# Altium PCB Slave.PcbDoc (part 7 of 12)
Units mm, origin at the board's own origin, x right, y up, seen from the top; angles counter-clockwise.
Board outline 380 x 63 mm, 4 copper layers (Top Copper, Signal Layer 1, Signal Layer 2, Bottom Copper), stack 1.586 mm thick; 265 components, 193 nets, 745 pads, 28205 vias.
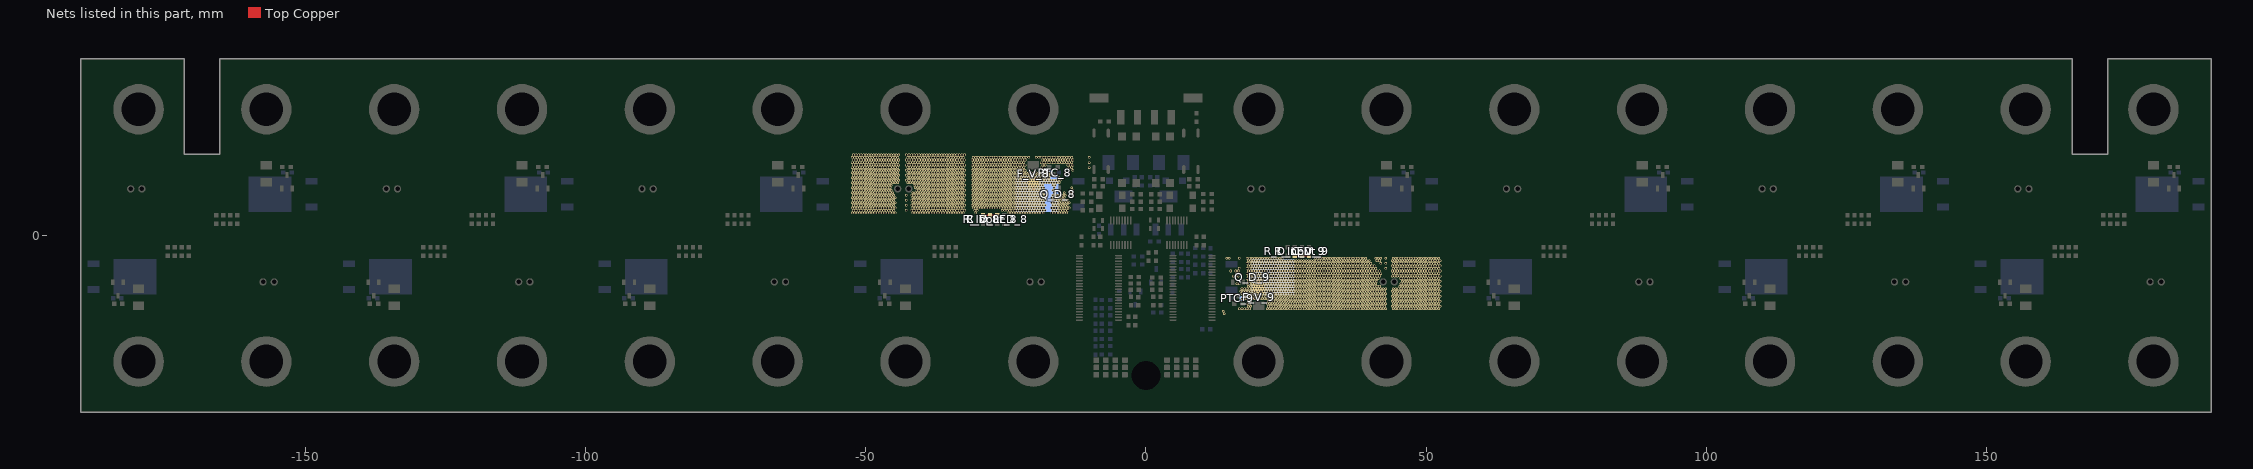
[diagram p9: the nets of this part, all layers, seen from the top]

## Via types
v1: diameter 0.45, hole 0.297, Top Copper to Bottom Copper, tented both sides, 27372 vias
v2: diameter 1, hole 0.7, Top Copper to Bottom Copper, 576 vias
v3: diameter 0.45, hole 0.2, Top Copper to Bottom Copper, 257 vias

## Nets (pads, with @x,y where several pads share a name; then routed paths per layer and width w, separated by ;. In a path a pad name is that pad's centre, name@x,y a point inside that pad or via, vN(x,y) a via of type N, cw(c..) or ccw(c..) an arc to the next point about the centre after c; other vN are vias at no path point) (continued)
F_8: C_V_8.2 F_V_8.2 PTC_8.2 Q_D_8.2 R_D_LED_8.2 R_Input_8.1 | length 3.9
  Top Copper w0.254: C_V_8.2@-29.05,3.6 R_Input_8.1@-27.8,3.6 R_D_LED_8.2@-26.55,3.6
  Top Copper w0.305: v1@-20.075,8.1 F_V_8.2@-20.075,9.48
  other v1: -52.4,4 -51.95,4 -51.5,4 -51.05,4 -50.6,4 -50.15,4 -49.7,4 -49.25,4 -48.8,4 -48.35,4 -47.9,4 -47.45,4 -47,4 -46.55,4 -46.1,4 -45.65,4 -45.2,4 -44.75,4 -41.6,4 -41.15,4 -40.7,4 -40.25,4 -39.8,4 -39.351,4 -38.901,4 -38.451,4 -38.001,4 -37.551,4 -37.101,4 -36.651,4 -36.201,4 -35.751,4 -35.301,4 -34.851,4 -34.401,4 -33.951,4 -33.501,4 -33.051,4 -32.601,4 -30.351,4 -24.501,4 -24.051,4 -23.601,4 -23.151,4 -22.701,4 -22.251,4 -21.801,4 -21.351,4 -20.901,4 -20.451,4 -20.001,4 -19.551,4 -19.101,4 -18.651,4 -18.201,4 -16.851,4 -16.401,4 -15.951,4 -15.501,4 -15.051,4 -14.601,4 -14.151,4 -52.175,4.45 -51.725,4.45 -51.275,4.45 -50.825,4.45 -50.375,4.45 -49.925,4.45 -49.475,4.45 -49.025,4.45 -48.575,4.45 -48.125,4.45 -47.675,4.45 -47.225,4.45 -46.775,4.45 -46.325,4.45 -45.875,4.45 -45.425,4.45 -44.975,4.45 -42.725,4.45 -41.825,4.45 -41.375,4.45 -40.925,4.45 -40.475,4.45 -40.026,4.45 -39.576,4.45 -39.126,4.45 -38.676,4.45 -38.226,4.45 -37.776,4.45 -37.326,4.45 -36.876,4.45 -36.426,4.45 -35.976,4.45 -35.526,4.45 -35.076,4.45 -34.626,4.45 -34.176,4.45 -33.726,4.45 -33.276,4.45 -32.826,4.45 -32.376,4.45 -30.576,4.45 -30.126,4.45 -25.626,4.45 -25.176,4.45 -24.726,4.45 -24.276,4.45 -23.826,4.45 -23.376,4.45 -22.926,4.45 -22.476,4.45 -22.026,4.45 -21.576,4.45 -21.126,4.45 -20.676,4.45 -20.226,4.45 -19.776,4.45 -19.326,4.45 -18.876,4.45 -18.426,4.45 -17.976,4.45 -16.626,4.45 -16.176,4.45 -15.726,4.45 -15.276,4.45 -14.826,4.45 -14.376,4.45 -13.926,4.45 -52.4,4.9 -51.95,4.9 -51.5,4.9 -51.05,4.9 -50.6,4.9 -50.15,4.9 -49.7,4.9 -49.25,4.9 -48.8,4.9 -48.35,4.9 -47.9,4.9 -47.45,4.9 -47,4.9 -46.55,4.9 -46.1,4.9 -45.65,4.9 -45.2,4.9 -44.75,4.9 -41.6,4.9 -41.15,4.9 -40.7,4.9 -40.25,4.9 -39.8,4.9 -39.351,4.9 -38.901,4.9 -38.451,4.9 -38.001,4.9 -37.551,4.9 -37.101,4.9 -36.651,4.9 -36.201,4.9 -35.751,4.9 -35.301,4.9 -34.851,4.9 -34.401,4.9 -33.951,4.9 -33.501,4.9 -33.051,4.9 -32.601,4.9 -30.801,4.9 -30.351,4.9 -29.901,4.9 -29.451,4.9 -29.001,4.9 -28.551,4.9 -28.101,4.9 -27.651,4.9 -27.201,4.9 -26.751,4.9 -26.301,4.9 -25.851,4.9 -25.401,4.9 -24.951,4.9 -24.501,4.9 -24.051,4.9 -23.601,4.9 -23.151,4.9 -22.701,4.9 -22.251,4.9 -21.801,4.9 -21.351,4.9 -20.901,4.9 -20.451,4.9 -20.001,4.9 -19.551,4.9 -19.101,4.9 -18.651,4.9 -18.201,4.9 -16.851,4.9 -16.401,4.9 -15.951,4.9 -15.501,4.9 -15.051,4.9 -14.601,4.9 -14.151,4.9 -13.701,4.9 -52.175,5.35 -51.725,5.35 -51.275,5.35 -50.825,5.35 -50.375,5.35 -49.925,5.35 -49.475,5.35 -49.025,5.35 -48.575,5.35 -48.125,5.35 -47.675,5.35 -47.225,5.35 -46.775,5.35 -46.325,5.35 -45.875,5.35 -45.425,5.35 -44.975,5.35 -42.725,5.35 -41.825,5.35 -41.375,5.35 -40.925,5.35 -40.475,5.35 -40.026,5.35 -39.576,5.35 -39.126,5.35 -38.676,5.35 -38.226,5.35 -37.776,5.35 -37.326,5.35 -36.876,5.35 -36.426,5.35 -35.976,5.35 -35.526,5.35 -35.076,5.35 -34.626,5.35 -34.176,5.35 -33.726,5.35 -33.276,5.35 -32.826,5.35 -32.376,5.35 -31.026,5.35 -30.576,5.35 -30.126,5.35 -29.676,5.35 -29.226,5.35 -28.776,5.35 -28.326,5.35 -27.876,5.35 -27.426,5.35 -26.976,5.35 -26.526,5.35 -26.076,5.35 -25.626,5.35 -25.176,5.35 -24.726,5.35 -24.276,5.35 -23.826,5.35 -23.376,5.35 -22.926,5.35 -22.476,5.35 -22.026,5.35 -21.576,5.35 -21.126,5.35 -20.676,5.35 -20.226,5.35 -19.776,5.35 -19.326,5.35 -18.876,5.35 -18.426,5.35 -17.976,5.35 -16.626,5.35 -16.176,5.35 -15.726,5.35 -15.276,5.35 -14.826,5.35 -14.376,5.35 -13.926,5.35 -52.4,5.8 -51.95,5.8 -51.5,5.8 -51.05,5.8 -50.6,5.8 -50.15,5.8 -49.7,5.8 -49.25,5.8 -48.8,5.8 -48.35,5.8 -47.9,5.8 -47.45,5.8 -47,5.8 -46.55,5.8 -46.1,5.8 -45.65,5.8 -45.2,5.8 -44.75,5.8 -41.6,5.8 -41.15,5.8 -40.7,5.8 -40.25,5.8 -39.8,5.8 -39.351,5.8 -38.901,5.8 -38.451,5.8 -38.001,5.8 -37.551,5.8 -37.101,5.8 -36.651,5.8 -36.201,5.8 -35.751,5.8 -35.301,5.8 -34.851,5.8 -34.401,5.8 -33.951,5.8 -33.501,5.8 -33.051,5.8 -32.601,5.8 -30.801,5.8 -30.351,5.8 -29.901,5.8 -29.451,5.8 -29.001,5.8 -28.551,5.8 -28.101,5.8 -27.651,5.8 -27.201,5.8 -26.751,5.8 -26.301,5.8 -25.851,5.8 -25.401,5.8 -24.951,5.8 -24.501,5.8 -24.051,5.8 -23.601,5.8 -23.151,5.8 -22.701,5.8 -22.251,5.8 -21.801,5.8 -21.351,5.8 -20.901,5.8 -20.451,5.8 -20.001,5.8 -19.551,5.8 -19.101,5.8 -18.651,5.8 -18.201,5.8 -16.851,5.8 -16.401,5.8 -15.951,5.8 -15.501,5.8 -15.051,5.8 -14.601,5.8 -14.151,5.8 -13.701,5.8 -52.175,6.25 -51.725,6.25 -51.275,6.25 -50.825,6.25 -50.375,6.25 -49.925,6.25 -49.475,6.25 -49.025,6.25 -48.575,6.25 -48.125,6.25 -47.675,6.25 -47.225,6.25 -46.775,6.25 -46.325,6.25 -45.875,6.25 -45.425,6.25 -44.975,6.25 -42.725,6.25 -41.825,6.25 -41.375,6.25 -40.925,6.25 -40.475,6.25 -40.026,6.25 -39.576,6.25 -39.126,6.25 -38.676,6.25 -38.226,6.25 -37.776,6.25 -37.326,6.25 -36.876,6.25 -36.426,6.25 -35.976,6.25 -35.526,6.25 -35.076,6.25 -34.626,6.25 -34.176,6.25 -33.726,6.25 -33.276,6.25 -32.826,6.25 -32.376,6.25 -31.026,6.25 -30.576,6.25 -30.126,6.25 -29.676,6.25 -29.226,6.25 -28.776,6.25 -28.326,6.25 -27.876,6.25 -27.426,6.25 -26.976,6.25 -26.526,6.25 -26.076,6.25 -25.626,6.25 -25.176,6.25 -24.726,6.25 -24.276,6.25 -23.826,6.25 -23.376,6.25 -22.926,6.25 -22.476,6.25 -22.026,6.25 -21.576,6.25 -21.126,6.25 -20.676,6.25 -20.226,6.25 -19.776,6.25 -19.326,6.25 -18.876,6.25 -18.426,6.25 -17.976,6.25 -16.626,6.25 -16.176,6.25 -15.726,6.25 -15.276,6.25 -14.826,6.25 -14.376,6.25 -13.926,6.25 -52.4,6.7 -51.95,6.7 -51.5,6.7 -51.05,6.7 -50.6,6.7 -50.15,6.7 -49.7,6.7 -49.25,6.7 -48.8,6.7 -48.35,6.7 -47.9,6.7 -47.45,6.7 -47,6.7 -46.55,6.7 -46.1,6.7 -45.65,6.7 -45.2,6.7 -44.75,6.7 -41.6,6.7 -41.15,6.7 -40.7,6.7 -40.25,6.7 -39.8,6.7 -39.351,6.7 -38.901,6.7 -38.451,6.7 -38.001,6.7 -37.551,6.7 -37.101,6.7 -36.651,6.7 -36.201,6.7 -35.751,6.7 -35.301,6.7 -34.851,6.7 -34.401,6.7 -33.951,6.7 -33.501,6.7 -33.051,6.7 -32.601,6.7 -30.801,6.7 -30.351,6.7 -29.901,6.7 -29.451,6.7 -29.001,6.7 -28.551,6.7 -28.101,6.7 -27.651,6.7 -27.201,6.7 -26.751,6.7 -26.301,6.7 -25.851,6.7 -25.401,6.7 -24.951,6.7 -24.501,6.7 -24.051,6.7 -23.601,6.7 -23.151,6.7 -22.701,6.7 -22.251,6.7 -21.801,6.7 -21.351,6.7 -20.901,6.7 -20.451,6.7 -20.001,6.7 -19.551,6.7 -19.101,6.7 -18.651,6.7 -18.201,6.7 -16.851,6.7 -16.401,6.7 -15.951,6.7 -15.501,6.7 -15.051,6.7 -14.601,6.7 -52.175,7.15 -51.725,7.15 -51.275,7.15 -50.825,7.15 -50.375,7.15 -49.925,7.15 -49.475,7.15 -49.025,7.15 -48.575,7.15 -48.125,7.15 -47.675,7.15 -47.225,7.15 -46.775,7.15 -46.325,7.15 -45.875,7.15 -45.425,7.15 -44.975,7.15 -42.725,7.15 -41.825,7.15 -41.375,7.15 -40.925,7.15 -40.475,7.15 -40.026,7.15 -39.576,7.15 -39.126,7.15 -38.676,7.15 -38.226,7.15 -37.776,7.15 -37.326,7.15 -36.876,7.15 -36.426,7.15 -35.976,7.15 -35.526,7.15 -35.076,7.15 -34.626,7.15 -34.176,7.15 -33.726,7.15 -33.276,7.15 -32.826,7.15 -32.376,7.15 -31.026,7.15 -30.576,7.15 -30.126,7.15 -29.676,7.15 -29.226,7.15 -28.776,7.15 -28.326,7.15 -27.876,7.15 -27.426,7.15 -26.976,7.15 -26.526,7.15 -26.076,7.15 -25.626,7.15 -25.176,7.15 -24.726,7.15 -24.276,7.15 -23.826,7.15 -23.376,7.15 -22.926,7.15 -22.476,7.15 -22.026,7.15 -21.576,7.15 -21.126,7.15 -20.676,7.15 -20.226,7.15 -19.776,7.15 -19.326,7.15 -18.876,7.15 -18.426,7.15 -17.976,7.15 -16.626,7.15 -16.176,7.15 -15.726,7.15 -15.276,7.15 -14.826,7.15 -14.376,7.15 -13.026,7.15 -52.4,7.6 -51.95,7.6 -51.5,7.6 -51.05,7.6 -50.6,7.6 -50.15,7.6 -49.7,7.6 -49.25,7.6 -48.8,7.6 -48.35,7.6 -47.9,7.6 -47.45,7.6 -47,7.6 -46.55,7.6 -46.1,7.6 -45.65,7.6 -45.2,7.6 -41.6,7.6 -41.15,7.6 -40.7,7.6 -40.25,7.6 -39.8,7.6 -39.351,7.6 -38.901,7.6 -38.451,7.6 -38.001,7.6 -37.551,7.6 -37.101,7.6 -36.651,7.6 -36.201,7.6 -35.751,7.6 -35.301,7.6 -34.851,7.6 -34.401,7.6 -33.951,7.6 -33.501,7.6 -33.051,7.6 -32.601,7.6 -30.801,7.6 -30.351,7.6 -29.901,7.6 -29.451,7.6 -29.001,7.6 -28.551,7.6 -28.101,7.6 -27.651,7.6 -27.201,7.6 -26.751,7.6 -26.301,7.6 -25.851,7.6 -25.401,7.6 -24.951,7.6 -24.501,7.6 -24.051,7.6 -23.601,7.6 -23.151,7.6 -22.701,7.6 -22.251,7.6 -21.801,7.6 -21.351,7.6 -20.901,7.6 -20.451,7.6 -20.001,7.6 -19.551,7.6 -19.101,7.6 -18.651,7.6 -18.201,7.6 -16.401,7.6 -14.601,7.6 -13.251,7.6 -52.175,8.05 -51.725,8.05 -51.275,8.05 -50.825,8.05 -50.375,8.05 -49.925,8.05 -49.475,8.05 -49.025,8.05 -48.575,8.05 -48.125,8.05 -47.675,8.05 -47.225,8.05 -46.775,8.05 -46.325,8.05 -45.875,8.05 -45.425,8.05 -40.925,8.05 -40.475,8.05 -40.026,8.05 -39.576,8.05 -39.126,8.05 -38.676,8.05 -38.226,8.05 -37.776,8.05 -37.326,8.05 -36.876,8.05 -36.426,8.05 -35.976,8.05 -35.526,8.05 -35.076,8.05 -34.626,8.05 -34.176,8.05 -33.726,8.05 -33.276,8.05 -32.826,8.05 -32.376,8.05 -31.026,8.05 -30.576,8.05 -30.126,8.05 -29.676,8.05 -29.226,8.05 -28.776,8.05 -28.326,8.05 -27.876,8.05 -27.426,8.05 -26.976,8.05 -26.526,8.05 -26.076,8.05 -25.626,8.05 -25.176,8.05 -24.726,8.05 -24.276,8.05 -23.826,8.05 -23.376,8.05 -22.926,8.05 -22.476,8.05 -22.026,8.05 -21.576,8.05 -21.126,8.05 -20.676,8.05 -20.226,8.05 -19.776,8.05 -19.326,8.05 -18.876,8.05 -18.426,8.05 -16.626,8.05 -16.176,8.05 -13.026,8.05 -52.4,8.5 -51.95,8.5 -51.5,8.5 -51.05,8.5 -50.6,8.5 -50.15,8.5 -49.7,8.5 -49.25,8.5 -48.8,8.5 -48.35,8.5 -47.9,8.5 -47.45,8.5 -47,8.5 -46.55,8.5 -46.1,8.5 -45.65,8.5 -41.15,8.5 -40.7,8.5 -40.25,8.5 -39.8,8.5 -39.351,8.5 -38.901,8.5 -38.451,8.5 -38.001,8.5 -37.551,8.5 -37.101,8.5 -36.651,8.5 -36.201,8.5 -35.751,8.5 -35.301,8.5 -34.851,8.5 -34.401,8.5 -33.951,8.5 -33.501,8.5 -33.051,8.5 -32.601,8.5 -30.801,8.5 -30.351,8.5 -29.901,8.5 -29.451,8.5 -29.001,8.5 -28.551,8.5 -28.101,8.5 -27.651,8.5 -27.201,8.5 -26.751,8.5 -26.301,8.5 -25.851,8.5 -25.401,8.5 -24.951,8.5 -24.501,8.5 -24.051,8.5 -23.601,8.5 -23.151,8.5 -22.701,8.5 -22.251,8.5 -21.801,8.5 -21.351,8.5 -20.901,8.5 -20.451,8.5 -20.001,8.5 -19.551,8.5 -19.101,8.5 -18.651,8.5 -18.201,8.5 -16.401,8.5 -13.251,8.5 -52.175,8.95 -51.725,8.95 -51.275,8.95 -50.825,8.95 -50.375,8.95 -49.925,8.95 -49.475,8.95 -49.025,8.95 -48.575,8.95 -48.125,8.95 -47.675,8.95 -47.225,8.95 -46.775,8.95 -46.325,8.95 -45.875,8.95 -45.425,8.95 -41.375,8.95 -40.925,8.95 -40.475,8.95 -40.026,8.95 -39.576,8.95 -39.126,8.95 -38.676,8.95 -38.226,8.95 -37.776,8.95 -37.326,8.95 -36.876,8.95 -36.426,8.95 -35.976,8.95 -35.526,8.95 -35.076,8.95 -34.626,8.95 -34.176,8.95 -33.726,8.95 -33.276,8.95 -32.826,8.95 -32.376,8.95 -31.026,8.95 -30.576,8.95 -30.126,8.95 -29.676,8.95 -29.226,8.95 -28.776,8.95 -28.326,8.95 -27.876,8.95 -27.426,8.95 -26.976,8.95 -26.526,8.95 -26.076,8.95 -25.626,8.95 -25.176,8.95 -24.726,8.95 -24.276,8.95 -23.826,8.95 -23.376,8.95 -22.926,8.95 -22.476,8.95 -22.026,8.95 -21.576,8.95 -21.126,8.95 -20.676,8.95 -20.226,8.95 -19.776,8.95 -19.326,8.95 -18.876,8.95 -18.426,8.95 -16.626,8.95 -16.176,8.95 -52.4,9.4 -51.95,9.4 -51.5,9.4 -51.05,9.4 -50.6,9.4 -50.15,9.4 -49.7,9.4 -49.25,9.4 -48.8,9.4 -48.35,9.4 -47.9,9.4 -47.45,9.4 -47,9.4 -46.55,9.4 -46.1,9.4 -45.65,9.4 -45.2,9.4 -44.75,9.4 -44.3,9.4 -42.5,9.4 -42.05,9.4 -41.6,9.4 -41.15,9.4 -40.7,9.4 -40.25,9.4 -39.8,9.4 -39.351,9.4 -38.901,9.4 -38.451,9.4 -38.001,9.4 -37.551,9.4 -37.101,9.4 -36.651,9.4 -36.201,9.4 -35.751,9.4 -35.301,9.4 -34.851,9.4 -34.401,9.4 -33.951,9.4 -33.501,9.4 -33.051,9.4 -32.601,9.4 -30.801,9.4 -30.351,9.4 -29.901,9.4 -29.451,9.4 -29.001,9.4 -28.551,9.4 -28.101,9.4 -27.651,9.4 -27.201,9.4 -26.751,9.4 -26.301,9.4 -25.851,9.4 -25.401,9.4 -24.951,9.4 -24.501,9.4 -24.051,9.4 -23.601,9.4 -23.151,9.4 -22.701,9.4 -22.251,9.4 -21.801,9.4 -21.351,9.4 -20.901,9.4 -20.451,9.4 -20.001,9.4 -19.551,9.4 -19.101,9.4 -18.651,9.4 -18.201,9.4 -17.751,9.4 -17.301,9.4 -16.851,9.4 -16.401,9.4 -15.951,9.4 -15.501,9.4 -52.175,9.85 -51.725,9.85 -51.275,9.85 -50.825,9.85 -50.375,9.85 -49.925,9.85 -49.475,9.85 -49.025,9.85 -48.575,9.85 -48.125,9.85 -47.675,9.85 -47.225,9.85 -46.775,9.85 -46.325,9.85 -45.875,9.85 -45.425,9.85 -44.975,9.85 -44.525,9.85 -44.075,9.85 -42.725,9.85 -42.275,9.85 -41.825,9.85 -41.375,9.85 -40.925,9.85 -40.475,9.85 -40.026,9.85 -39.576,9.85 -39.126,9.85 -38.676,9.85 -38.226,9.85 -37.776,9.85 -37.326,9.85 -36.876,9.85 -36.426,9.85 -35.976,9.85 -35.526,9.85 -35.076,9.85 -34.626,9.85 -34.176,9.85 -33.726,9.85 -33.276,9.85 -32.826,9.85 -32.376,9.85 -31.026,9.85 -30.576,9.85 -30.126,9.85 -29.676,9.85 -29.226,9.85 -28.776,9.85 -28.326,9.85 -27.876,9.85 -27.426,9.85 -26.976,9.85 -26.526,9.85 -26.076,9.85 -25.626,9.85 -25.176,9.85 -24.726,9.85 -24.276,9.85 -23.826,9.85 -23.376,9.85 -22.926,9.85 -22.476,9.85 -22.026,9.85 -21.576,9.85 -21.126,9.85 -20.676,9.85 -20.226,9.85 -19.776,9.85 -19.326,9.85 -18.876,9.85 -18.426,9.85 -17.976,9.85 -17.526,9.85 -17.076,9.85 -16.626,9.85 -16.176,9.85 -15.726,9.85 -15.276,9.85 -52.4,10.3 -51.95,10.3 -51.5,10.3 -51.05,10.3 -50.6,10.3 -50.15,10.3 -49.7,10.3 -49.25,10.3 -48.8,10.3 -48.35,10.3 -47.9,10.3 -47.45,10.3 -47,10.3 -46.55,10.3 -46.1,10.3 -45.65,10.3 -45.2,10.3 -44.75,10.3 -44.3,10.3 -42.5,10.3 -42.05,10.3 -41.6,10.3 -41.15,10.3 -40.7,10.3 -40.25,10.3 -39.8,10.3 -39.351,10.3 -38.901,10.3 -38.451,10.3 -38.001,10.3 -37.551,10.3 -37.101,10.3 -36.651,10.3 -36.201,10.3 -35.751,10.3 -35.301,10.3 -34.851,10.3 -34.401,10.3 -33.951,10.3 -33.501,10.3 -33.051,10.3 -32.601,10.3 -30.801,10.3 -30.351,10.3 -29.901,10.3 -29.451,10.3 -29.001,10.3 -28.551,10.3 -28.101,10.3 -27.651,10.3 -27.201,10.3 -26.751,10.3 -26.301,10.3 -25.851,10.3 -25.401,10.3 -24.951,10.3 -24.501,10.3 -24.051,10.3 -23.601,10.3 -23.151,10.3 -22.701,10.3 -22.251,10.3 -21.801,10.3 -21.351,10.3 -20.901,10.3 -20.451,10.3 -20.001,10.3 -19.551,10.3 -19.101,10.3 -18.651,10.3 -18.201,10.3 -17.751,10.3 -17.301,10.3 -15.501,10.3 -52.175,10.75 -51.725,10.75 -51.275,10.75 -50.825,10.75 -50.375,10.75 -49.925,10.75 -49.475,10.75 -49.025,10.75 -48.575,10.75 -48.125,10.75 -47.675,10.75 -47.225,10.75 -46.775,10.75 -46.325,10.75 -45.875,10.75 -45.425,10.75 -44.975,10.75 -44.525,10.75 -44.075,10.75 -42.725,10.75 -42.275,10.75 -41.825,10.75 -41.375,10.75 -40.925,10.75 -40.475,10.75 -40.026,10.75 -39.576,10.75 -39.126,10.75 -38.676,10.75 -38.226,10.75 -37.776,10.75 -37.326,10.75 -36.876,10.75 -36.426,10.75 -35.976,10.75 -35.526,10.75 -35.076,10.75 -34.626,10.75 -34.176,10.75 -33.726,10.75 -33.276,10.75 -32.826,10.75 -32.376,10.75 -31.026,10.75 -30.576,10.75 -30.126,10.75 -29.676,10.75 -29.226,10.75 -28.776,10.75 -28.326,10.75 -27.876,10.75 -27.426,10.75 -26.976,10.75 -26.526,10.75 -26.076,10.75 -25.626,10.75 -25.176,10.75 -24.726,10.75 -24.276,10.75 -23.826,10.75 -23.376,10.75 -22.926,10.75 -22.476,10.75 -22.026,10.75 -21.576,10.75 -21.126,10.75 -20.676,10.75 -20.226,10.75 -19.776,10.75 -19.326,10.75 -18.876,10.75 -18.426,10.75 -17.976,10.75 -17.526,10.75 -17.076,10.75 -52.4,11.2 -51.95,11.2 -51.5,11.2 -51.05,11.2 -50.6,11.2 -50.15,11.2 -49.7,11.2 -49.25,11.2 -48.8,11.2 -48.35,11.2 -47.9,11.2 -47.45,11.2 -47,11.2 -46.55,11.2 -46.1,11.2 -45.65,11.2 -45.2,11.2 -44.75,11.2 -44.3,11.2 -42.5,11.2 -42.05,11.2 -41.6,11.2 -41.15,11.2 -40.7,11.2 -40.25,11.2 -39.8,11.2 -39.351,11.2 -38.901,11.2 -38.451,11.2 -38.001,11.2 -37.551,11.2 -37.101,11.2 -36.651,11.2 -36.201,11.2 -35.751,11.2 -35.301,11.2 -34.851,11.2 -34.401,11.2 -33.951,11.2 -33.501,11.2 -33.051,11.2 -32.601,11.2 -30.801,11.2 -30.351,11.2 -29.901,11.2 -29.451,11.2 -29.001,11.2 -28.551,11.2 -28.101,11.2 -27.651,11.2 -27.201,11.2 -26.751,11.2 -26.301,11.2 -25.851,11.2 -25.401,11.2 -24.951,11.2 -24.501,11.2 -24.051,11.2 -23.601,11.2 -23.151,11.2 -22.701,11.2 -22.251,11.2 -21.801,11.2 -21.351,11.2 -20.901,11.2 -20.451,11.2 -20.001,11.2 -19.551,11.2 -19.101,11.2 -18.651,11.2 -18.201,11.2 -17.751,11.2 -17.301,11.2 -52.175,11.65 -51.725,11.65 -51.275,11.65 -50.825,11.65 -50.375,11.65 -49.925,11.65 -49.475,11.65 -49.025,11.65 -48.575,11.65 -48.125,11.65 -47.675,11.65 -47.225,11.65 -46.775,11.65 -46.325,11.65 -45.875,11.65 -45.425,11.65 -44.975,11.65 -44.525,11.65 -44.075,11.65 -42.725,11.65 -42.275,11.65 -41.825,11.65 -41.375,11.65 -40.925,11.65 -40.475,11.65 -40.026,11.65 -39.576,11.65 -39.126,11.65 -38.676,11.65 -38.226,11.65 -37.776,11.65 -37.326,11.65 -36.876,11.65 -36.426,11.65 -35.976,11.65 -35.526,11.65 -35.076,11.65 -34.626,11.65 -34.176,11.65 -33.726,11.65 -33.276,11.65 -32.826,11.65 -32.376,11.65 -31.026,11.65 -30.576,11.65 -30.126,11.65 -29.676,11.65 -29.226,11.65 -28.776,11.65 -28.326,11.65 -27.876,11.65 -27.426,11.65 -26.976,11.65 -26.526,11.65 -26.076,11.65 -25.626,11.65 -25.176,11.65 -24.726,11.65 -24.276,11.65 -23.826,11.65 -23.376,11.65 -22.926,11.65 -22.476,11.65 -22.026,11.65 -21.576,11.65 -18.426,11.65 -17.976,11.65 -13.026,11.65 -52.4,12.1 -51.95,12.1 -51.5,12.1 -51.05,12.1 -50.6,12.1 -50.15,12.1 -49.7,12.1 -49.25,12.1 -48.8,12.1 -48.35,12.1 -47.9,12.1 -47.45,12.1 -47,12.1 -46.55,12.1 -46.1,12.1 -45.65,12.1 -45.2,12.1 -44.75,12.1 -44.3,12.1 -42.5,12.1 -42.05,12.1 -41.6,12.1 -41.15,12.1 -40.7,12.1 -40.25,12.1 -39.8,12.1 -39.351,12.1 -38.901,12.1 -38.451,12.1 -38.001,12.1 -37.551,12.1 -37.101,12.1 -36.651,12.1 -36.201,12.1 -35.751,12.1 -35.301,12.1 -34.851,12.1 -34.401,12.1 -33.951,12.1 -33.501,12.1 -33.051,12.1 -32.601,12.1 -30.801,12.1 -30.351,12.1 -29.901,12.1 -29.451,12.1 -29.001,12.1 -28.551,12.1 -28.101,12.1 -27.651,12.1 -27.201,12.1 -26.751,12.1 -26.301,12.1 -25.851,12.1 -25.401,12.1 -24.951,12.1 -24.501,12.1 -24.051,12.1 -23.601,12.1 -23.151,12.1 -22.701,12.1 -22.251,12.1 -21.801,12.1 -18.651,12.1 -18.201,12.1 -13.701,12.1 -13.251,12.1 -10.101,12.1 -52.175,12.55 -51.725,12.55 -51.275,12.55 -50.825,12.55 -50.375,12.55 -49.925,12.55 -49.475,12.55 -49.025,12.55 -48.575,12.55 -48.125,12.55 -47.675,12.55 -47.225,12.55 -46.775,12.55 -46.325,12.55 -45.875,12.55 -45.425,12.55 -44.975,12.55 -44.525,12.55 -44.075,12.55 -42.725,12.55 -42.275,12.55 -41.825,12.55 -41.375,12.55 -40.925,12.55 -40.475,12.55 -40.026,12.55 -39.576,12.55 -39.126,12.55 -38.676,12.55 -38.226,12.55 -37.776,12.55 -37.326,12.55 -36.876,12.55 -36.426,12.55 -35.976,12.55 -35.526,12.55 -35.076,12.55 -34.626,12.55 -34.176,12.55 -33.726,12.55 -33.276,12.55 -32.826,12.55 -32.376,12.55 -31.026,12.55 -30.576,12.55 -30.126,12.55 -29.676,12.55 -29.226,12.55 -28.776,12.55 -28.326,12.55 -27.876,12.55 -27.426,12.55 -26.976,12.55 -26.526,12.55 -26.076,12.55 -25.626,12.55 -25.176,12.55 -24.726,12.55 -24.276,12.55 -23.826,12.55 -23.376,12.55 -22.926,12.55 -22.476,12.55 -22.026,12.55 -21.576,12.55 -18.426,12.55 -17.976,12.55 -13.926,12.55 -13.476,12.55 -13.026,12.55 -52.4,13 -51.95,13 -51.5,13 -51.05,13 -50.6,13 -50.15,13 -49.7,13 -49.25,13 -48.8,13 -48.35,13 -47.9,13 -47.45,13 -47,13 -46.55,13 -46.1,13 -45.65,13 -45.2,13 -44.75,13 -44.3,13 -42.5,13 -42.05,13 -41.6,13 -41.15,13 -40.7,13 -40.25,13 -39.8,13 -39.351,13 -38.901,13 -38.451,13 -38.001,13 -37.551,13 -37.101,13 -36.651,13 -36.201,13 -35.751,13 -35.301,13 -34.851,13 -34.401,13 -33.951,13 -33.501,13 -33.051,13 -32.601,13 -30.801,13 -30.351,13 -29.901,13 -29.451,13 -29.001,13 -28.551,13 -28.101,13 -27.651,13 -27.201,13 -26.751,13 -26.301,13 -25.851,13 -25.401,13 -24.951,13 -24.501,13 -24.051,13 -23.601,13 -23.151,13 -22.701,13 -22.251,13 -21.801,13 -18.651,13 -18.201,13 -17.751,13 -17.301,13 -16.851,13 -16.401,13 -15.951,13 -15.501,13 -15.051,13 -14.601,13 -14.151,13 -13.701,13 -13.251,13 -10.101,13 -52.175,13.45 -51.725,13.45 -51.275,13.45 -50.825,13.45 -50.375,13.45 -49.925,13.45 -49.475,13.45 -49.025,13.45 -48.575,13.45 -48.125,13.45 -47.675,13.45 -47.225,13.45 -46.775,13.45 -46.325,13.45 -45.875,13.45 -45.425,13.45 -44.975,13.45 -44.525,13.45 -44.075,13.45 -42.725,13.45 -42.275,13.45 -41.825,13.45 -41.375,13.45 -40.925,13.45 -40.475,13.45 -40.026,13.45 -39.576,13.45 -39.126,13.45 -38.676,13.45 -38.226,13.45 -37.776,13.45 -37.326,13.45 -36.876,13.45 -36.426,13.45 -35.976,13.45 -35.526,13.45 -35.076,13.45 -34.626,13.45 -34.176,13.45 -33.726,13.45 -33.276,13.45 -32.826,13.45 -32.376,13.45 -31.026,13.45 -30.576,13.45 -30.126,13.45 -29.676,13.45 -29.226,13.45 -28.776,13.45 -28.326,13.45 -27.876,13.45 -27.426,13.45 -26.976,13.45 -26.526,13.45 -26.076,13.45 -25.626,13.45 -25.176,13.45 -24.726,13.45 -24.276,13.45 -23.826,13.45 -23.376,13.45 -22.926,13.45 -22.476,13.45 -22.026,13.45 -21.576,13.45 -18.426,13.45 -17.976,13.45 -17.526,13.45 -17.076,13.45 -16.626,13.45 -16.176,13.45 -15.726,13.45 -15.276,13.45 -14.826,13.45 -14.376,13.45 -13.926,13.45 -13.476,13.45 -13.026,13.45 -52.4,13.9 -51.95,13.9 -51.5,13.9 -51.05,13.9 -50.6,13.9 -50.15,13.9 -49.7,13.9 -49.25,13.9 -48.8,13.9 -48.35,13.9 -47.9,13.9 -47.45,13.9 -47,13.9 -46.55,13.9 -46.1,13.9 -45.65,13.9 -45.2,13.9 -44.75,13.9 -44.3,13.9 -42.5,13.9 -42.05,13.9 -41.6,13.9 -41.15,13.9 -40.7,13.9 -40.25,13.9 -39.8,13.9 -39.351,13.9 -38.901,13.9 -38.451,13.9 -38.001,13.9 -37.551,13.9 -37.101,13.9 -36.651,13.9 -36.201,13.9 -35.751,13.9 -35.301,13.9 -34.851,13.9 -34.401,13.9 -33.951,13.9 -33.501,13.9 -33.051,13.9 -32.601,13.9 -30.801,13.9 -30.351,13.9 -29.901,13.9 -29.451,13.9 -29.001,13.9 -28.551,13.9 -28.101,13.9 -27.651,13.9 -27.201,13.9 -26.751,13.9 -26.301,13.9 -25.851,13.9 -25.401,13.9 -24.951,13.9 -24.501,13.9 -24.051,13.9 -23.601,13.9 -23.151,13.9 -22.701,13.9 -22.251,13.9 -21.801,13.9 -21.351,13.9 -20.901,13.9 -19.551,13.9 -19.101,13.9 -18.651,13.9 -18.201,13.9 -17.751,13.9 -17.301,13.9 -16.851,13.9 -16.401,13.9 -15.951,13.9 -15.501,13.9 -15.051,13.9 -14.601,13.9 -14.151,13.9 -13.701,13.9 -13.251,13.9 -10.101,13.9 -52.175,14.35 -51.725,14.35 -51.275,14.35 -50.825,14.35 -50.375,14.35 -49.925,14.35 -49.475,14.35 -49.025,14.35 -48.575,14.35 -48.125,14.35 -47.675,14.35 -47.225,14.35 -46.775,14.35 -46.325,14.35 -45.875,14.35 -45.425,14.35 -44.975,14.35 -44.525,14.35 -44.075,14.35 -42.725,14.35 -42.275,14.35 -41.825,14.35 -41.375,14.35 -40.925,14.35 -40.475,14.35 -40.026,14.35 -39.576,14.35 -39.126,14.35 -38.676,14.35 -38.226,14.35 -37.776,14.35 -37.326,14.35 -36.876,14.35 -36.426,14.35 -35.976,14.35 -35.526,14.35 -35.076,14.35 -34.626,14.35 -34.176,14.35 -33.726,14.35 -33.276,14.35 -32.826,14.35 -32.376,14.35
F_9: C_V_9.2 F_V_9.2 PTC_9.2 Q_D_9.2 R_D_LED_9.2 R_Input_9.1 | length 3.9
  Top Copper w0.254: R_D_LED_9.2@26.55,-3.6 R_Input_9.1@27.8,-3.6 C_V_9.2@29.05,-3.6
  Top Copper w0.305: F_V_9.2@20.075,-9.48 v1@20.075,-8.1
  other v1: 13.974,-14 13.749,-13.55 16.674,-13.1 17.124,-13.1 17.574,-13.1 18.024,-13.1 18.474,-13.1 21.624,-13.1 22.074,-13.1 22.524,-13.1 22.974,-13.1 23.424,-13.1 23.874,-13.1 24.324,-13.1 24.774,-13.1 25.224,-13.1 25.674,-13.1 26.124,-13.1 26.574,-13.1 27.024,-13.1 27.474,-13.1 27.924,-13.1 28.374,-13.1 28.824,-13.1 29.274,-13.1 29.724,-13.1 30.174,-13.1 30.624,-13.1 31.074,-13.1 31.524,-13.1 31.974,-13.1 32.424,-13.1 32.874,-13.1 33.324,-13.1 33.774,-13.1 34.224,-13.1 34.674,-13.1 35.124,-13.1 35.574,-13.1 36.024,-13.1 36.474,-13.1 36.924,-13.1 37.374,-13.1 37.824,-13.1 38.274,-13.1 38.724,-13.1 39.174,-13.1 39.624,-13.1 40.074,-13.1 40.524,-13.1 40.974,-13.1 41.424,-13.1 41.874,-13.1 42.324,-13.1 42.774,-13.1 44.124,-13.1 44.574,-13.1 45.024,-13.1 45.474,-13.1 45.924,-13.1 46.374,-13.1 46.824,-13.1 47.274,-13.1 47.724,-13.1 48.174,-13.1 48.624,-13.1 49.074,-13.1 49.524,-13.1 49.974,-13.1 50.424,-13.1 50.874,-13.1 51.324,-13.1 51.774,-13.1 52.224,-13.1 18.249,-12.65 18.699,-12.65 21.849,-12.65 22.299,-12.65 22.749,-12.65 23.199,-12.65 23.649,-12.65 24.099,-12.65 24.549,-12.65 24.999,-12.65 25.449,-12.65 25.899,-12.65 26.349,-12.65 26.799,-12.65 27.249,-12.65 27.699,-12.65 28.149,-12.65 28.599,-12.65 29.049,-12.65 29.499,-12.65 29.949,-12.65 30.399,-12.65 30.849,-12.65 31.299,-12.65 31.749,-12.65 32.199,-12.65 32.649,-12.65 33.099,-12.65 33.549,-12.65 33.999,-12.65 34.449,-12.65 34.899,-12.65 35.349,-12.65 35.799,-12.65 36.249,-12.65 36.699,-12.65 37.149,-12.65 37.599,-12.65 38.049,-12.65 38.499,-12.65 38.949,-12.65 39.399,-12.65 39.849,-12.65 40.299,-12.65 40.749,-12.65 41.199,-12.65 41.649,-12.65 42.099,-12.65 42.549,-12.65 43.899,-12.65 44.349,-12.65 44.799,-12.65 45.249,-12.65 45.699,-12.65 46.149,-12.65 46.599,-12.65 47.049,-12.65 47.499,-12.65 47.949,-12.65 48.399,-12.65 48.849,-12.65 49.299,-12.65 49.749,-12.65 50.199,-12.65 50.649,-12.65 51.099,-12.65 51.549,-12.65 51.999,-12.65 52.449,-12.65 18.024,-12.2 18.474,-12.2 21.624,-12.2 22.074,-12.2 22.524,-12.2 22.974,-12.2 23.424,-12.2 23.874,-12.2 24.324,-12.2 24.774,-12.2 25.224,-12.2 25.674,-12.2 26.124,-12.2 26.574,-12.2 27.024,-12.2 27.474,-12.2 27.924,-12.2 28.374,-12.2 28.824,-12.2 29.274,-12.2 29.724,-12.2 30.174,-12.2 30.624,-12.2 31.074,-12.2 31.524,-12.2 31.974,-12.2 32.424,-12.2 32.874,-12.2 33.324,-12.2 33.774,-12.2 34.224,-12.2 34.674,-12.2 35.124,-12.2 35.574,-12.2 36.024,-12.2 36.474,-12.2 36.924,-12.2 37.374,-12.2 37.824,-12.2 38.274,-12.2 38.724,-12.2 39.174,-12.2 39.624,-12.2 40.074,-12.2 40.524,-12.2 40.974,-12.2 41.424,-12.2 41.874,-12.2 42.324,-12.2 42.774,-12.2 44.124,-12.2 44.574,-12.2 45.024,-12.2 45.474,-12.2 45.924,-12.2 46.374,-12.2 46.824,-12.2 47.274,-12.2 47.724,-12.2 48.174,-12.2 48.624,-12.2 49.074,-12.2 49.524,-12.2 49.974,-12.2 50.424,-12.2 50.874,-12.2 51.324,-12.2 51.774,-12.2 52.224,-12.2 18.249,-11.75 18.699,-11.75 21.849,-11.75 22.299,-11.75 22.749,-11.75 23.199,-11.75 23.649,-11.75 24.099,-11.75 24.549,-11.75 24.999,-11.75 25.449,-11.75 25.899,-11.75 26.349,-11.75 26.799,-11.75 27.249,-11.75 27.699,-11.75 28.149,-11.75 28.599,-11.75 29.049,-11.75 29.499,-11.75 29.949,-11.75 30.399,-11.75 30.849,-11.75 31.299,-11.75 31.749,-11.75 32.199,-11.75 32.649,-11.75 33.099,-11.75 33.549,-11.75 33.999,-11.75 34.449,-11.75 34.899,-11.75 35.349,-11.75 35.799,-11.75 36.249,-11.75 36.699,-11.75 37.149,-11.75 37.599,-11.75 38.049,-11.75 38.499,-11.75 38.949,-11.75 39.399,-11.75 39.849,-11.75 40.299,-11.75 40.749,-11.75 41.199,-11.75 41.649,-11.75 42.099,-11.75 42.549,-11.75 43.899,-11.75 44.349,-11.75 44.799,-11.75 45.249,-11.75 45.699,-11.75 46.149,-11.75 46.599,-11.75 47.049,-11.75 47.499,-11.75 47.949,-11.75 48.399,-11.75 48.849,-11.75 49.299,-11.75 49.749,-11.75 50.199,-11.75 50.649,-11.75 51.099,-11.75 51.549,-11.75 51.999,-11.75 52.449,-11.75 17.124,-11.3 17.574,-11.3 18.024,-11.3 18.474,-11.3 18.924,-11.3 19.374,-11.3 19.824,-11.3 20.274,-11.3 20.724,-11.3 21.174,-11.3 21.624,-11.3 22.074,-11.3 22.524,-11.3 22.974,-11.3 23.424,-11.3 23.874,-11.3 24.324,-11.3 24.774,-11.3 25.224,-11.3 25.674,-11.3 26.124,-11.3 26.574,-11.3 27.024,-11.3 27.474,-11.3 27.924,-11.3 28.374,-11.3 28.824,-11.3 29.274,-11.3 29.724,-11.3 30.174,-11.3 30.624,-11.3 31.074,-11.3 31.524,-11.3 31.974,-11.3 32.424,-11.3 32.874,-11.3 33.324,-11.3 33.774,-11.3 34.224,-11.3 34.674,-11.3 35.124,-11.3 35.574,-11.3 36.024,-11.3 36.474,-11.3 36.924,-11.3 37.374,-11.3 37.824,-11.3 38.274,-11.3 38.724,-11.3 39.174,-11.3 39.624,-11.3 40.074,-11.3 40.524,-11.3 40.974,-11.3 41.424,-11.3 41.874,-11.3 42.324,-11.3 42.774,-11.3 44.124,-11.3 44.574,-11.3 45.024,-11.3 45.474,-11.3 45.924,-11.3 46.374,-11.3 46.824,-11.3 47.274,-11.3 47.724,-11.3 48.174,-11.3 48.624,-11.3 49.074,-11.3 49.524,-11.3 49.974,-11.3 50.424,-11.3 50.874,-11.3 51.324,-11.3 51.774,-11.3 52.224,-11.3 17.349,-10.85 17.799,-10.85 18.249,-10.85 18.699,-10.85 19.149,-10.85 19.599,-10.85 20.049,-10.85 20.499,-10.85 20.949,-10.85 21.399,-10.85 21.849,-10.85 22.299,-10.85 22.749,-10.85 23.199,-10.85 23.649,-10.85 24.099,-10.85 24.549,-10.85 24.999,-10.85 25.449,-10.85 25.899,-10.85 26.349,-10.85 26.799,-10.85 27.249,-10.85 27.699,-10.85 28.149,-10.85 28.599,-10.85 29.049,-10.85 29.499,-10.85 29.949,-10.85 30.399,-10.85 30.849,-10.85 31.299,-10.85 31.749,-10.85 32.199,-10.85 32.649,-10.85 33.099,-10.85 33.549,-10.85 33.999,-10.85 34.449,-10.85 34.899,-10.85 35.349,-10.85 35.799,-10.85 36.249,-10.85 36.699,-10.85 37.149,-10.85 37.599,-10.85 38.049,-10.85 38.499,-10.85 38.949,-10.85 39.399,-10.85 39.849,-10.85 40.299,-10.85 40.749,-10.85 41.199,-10.85 41.649,-10.85 42.099,-10.85 42.549,-10.85 43.899,-10.85 44.349,-10.85 44.799,-10.85 45.249,-10.85 45.699,-10.85 46.149,-10.85 46.599,-10.85 47.049,-10.85 47.499,-10.85 47.949,-10.85 48.399,-10.85 48.849,-10.85 49.299,-10.85 49.749,-10.85 50.199,-10.85 50.649,-10.85 51.099,-10.85 51.549,-10.85 51.999,-10.85 52.449,-10.85 17.124,-10.4 17.574,-10.4 18.024,-10.4 18.474,-10.4 18.924,-10.4 19.374,-10.4 19.824,-10.4 20.274,-10.4 20.724,-10.4 21.174,-10.4 21.624,-10.4 22.074,-10.4 22.524,-10.4 22.974,-10.4 23.424,-10.4 23.874,-10.4 24.324,-10.4 24.774,-10.4 25.224,-10.4 25.674,-10.4 26.124,-10.4 26.574,-10.4 27.024,-10.4 27.474,-10.4 27.924,-10.4 28.374,-10.4 28.824,-10.4 29.274,-10.4 29.724,-10.4 30.174,-10.4 30.624,-10.4 31.074,-10.4 31.524,-10.4 31.974,-10.4 32.424,-10.4 32.874,-10.4 33.324,-10.4 33.774,-10.4 34.224,-10.4 34.674,-10.4 35.124,-10.4 35.574,-10.4 36.024,-10.4 36.474,-10.4 36.924,-10.4 37.374,-10.4 37.824,-10.4 38.274,-10.4 38.724,-10.4 39.174,-10.4 39.624,-10.4 40.074,-10.4 40.524,-10.4 40.974,-10.4 41.424,-10.4 41.874,-10.4 42.324,-10.4 42.774,-10.4 44.124,-10.4 44.574,-10.4 45.024,-10.4 45.474,-10.4 45.924,-10.4 46.374,-10.4 46.824,-10.4 47.274,-10.4 47.724,-10.4 48.174,-10.4 48.624,-10.4 49.074,-10.4 49.524,-10.4 49.974,-10.4 50.424,-10.4 50.874,-10.4 51.324,-10.4 51.774,-10.4 52.224,-10.4 16.899,-9.95 17.349,-9.95 17.799,-9.95 18.249,-9.95 18.699,-9.95 19.149,-9.95 19.599,-9.95 20.049,-9.95 20.499,-9.95 20.949,-9.95 21.399,-9.95 21.849,-9.95 22.299,-9.95 22.749,-9.95 23.199,-9.95 23.649,-9.95 24.099,-9.95 24.549,-9.95 24.999,-9.95 25.449,-9.95 25.899,-9.95 26.349,-9.95 26.799,-9.95 27.249,-9.95 27.699,-9.95 28.149,-9.95 28.599,-9.95 29.049,-9.95 29.499,-9.95 29.949,-9.95 30.399,-9.95 30.849,-9.95 31.299,-9.95 31.749,-9.95 32.199,-9.95 32.649,-9.95 33.099,-9.95 33.549,-9.95 33.999,-9.95 34.449,-9.95 34.899,-9.95 35.349,-9.95 35.799,-9.95 36.249,-9.95 36.699,-9.95 37.149,-9.95 37.599,-9.95 38.049,-9.95 38.499,-9.95 38.949,-9.95 39.399,-9.95 39.849,-9.95 40.299,-9.95 40.749,-9.95 41.199,-9.95 41.649,-9.95 42.099,-9.95 42.549,-9.95 43.899,-9.95 44.349,-9.95 44.799,-9.95 45.249,-9.95 45.699,-9.95 46.149,-9.95 46.599,-9.95 47.049,-9.95 47.499,-9.95 47.949,-9.95 48.399,-9.95 48.849,-9.95 49.299,-9.95 49.749,-9.95 50.199,-9.95 50.649,-9.95 51.099,-9.95 51.549,-9.95 51.999,-9.95 52.449,-9.95 17.124,-9.5 17.574,-9.5 18.024,-9.5 18.474,-9.5 18.924,-9.5 19.374,-9.5 19.824,-9.5 20.274,-9.5 20.724,-9.5 21.174,-9.5 21.624,-9.5 22.074,-9.5 22.524,-9.5 22.974,-9.5 23.424,-9.5 23.874,-9.5 24.324,-9.5 24.774,-9.5 25.224,-9.5 25.674,-9.5 26.124,-9.5 26.574,-9.5 27.024,-9.5 27.474,-9.5 27.924,-9.5 28.374,-9.5 28.824,-9.5 29.274,-9.5 29.724,-9.5 30.174,-9.5 30.624,-9.5 31.074,-9.5 31.524,-9.5 31.974,-9.5 32.424,-9.5 32.874,-9.5 33.324,-9.5 33.774,-9.5 34.224,-9.5 34.674,-9.5 35.124,-9.5 35.574,-9.5 36.024,-9.5 36.474,-9.5 36.924,-9.5 37.374,-9.5 37.824,-9.5 38.274,-9.5 38.724,-9.5 39.174,-9.5 39.624,-9.5 40.074,-9.5 40.524,-9.5 40.974,-9.5 41.424,-9.5 41.874,-9.5 42.324,-9.5 42.774,-9.5 44.124,-9.5 44.574,-9.5 45.024,-9.5 45.474,-9.5 45.924,-9.5 46.374,-9.5 46.824,-9.5 47.274,-9.5 47.724,-9.5 48.174,-9.5 48.624,-9.5 49.074,-9.5 49.524,-9.5 49.974,-9.5 50.424,-9.5 50.874,-9.5 51.324,-9.5 51.774,-9.5 52.224,-9.5 18.249,-9.05 18.699,-9.05 19.149,-9.05 19.599,-9.05 20.049,-9.05 20.499,-9.05 20.949,-9.05 21.399,-9.05 21.849,-9.05 22.299,-9.05 22.749,-9.05 23.199,-9.05 23.649,-9.05 24.099,-9.05 24.549,-9.05 24.999,-9.05 25.449,-9.05 25.899,-9.05 26.349,-9.05 26.799,-9.05 27.249,-9.05 27.699,-9.05 28.149,-9.05 28.599,-9.05 29.049,-9.05 29.499,-9.05 29.949,-9.05 30.399,-9.05 30.849,-9.05 31.299,-9.05 31.749,-9.05 32.199,-9.05 32.649,-9.05 33.099,-9.05 33.549,-9.05 33.999,-9.05 34.449,-9.05 34.899,-9.05 35.349,-9.05 35.799,-9.05 36.249,-9.05 36.699,-9.05 37.149,-9.05 37.599,-9.05 38.049,-9.05 38.499,-9.05 38.949,-9.05 39.399,-9.05 39.849,-9.05 40.299,-9.05 40.749,-9.05 41.199,-9.05 41.649,-9.05 45.249,-9.05 45.699,-9.05 46.149,-9.05 46.599,-9.05 47.049,-9.05 47.499,-9.05 47.949,-9.05 48.399,-9.05 48.849,-9.05 49.299,-9.05 49.749,-9.05 50.199,-9.05 50.649,-9.05 51.099,-9.05 51.549,-9.05 51.999,-9.05 52.449,-9.05 16.224,-8.6 16.674,-8.6 18.024,-8.6 18.474,-8.6 18.924,-8.6 19.374,-8.6 19.824,-8.6 20.274,-8.6 20.724,-8.6 21.174,-8.6 21.624,-8.6 22.074,-8.6 22.524,-8.6 22.974,-8.6 23.424,-8.6 23.874,-8.6 24.324,-8.6 24.774,-8.6 25.224,-8.6 25.674,-8.6 26.124,-8.6 26.574,-8.6 27.024,-8.6 27.474,-8.6 27.924,-8.6 28.374,-8.6 28.824,-8.6 29.274,-8.6 29.724,-8.6 30.174,-8.6 30.624,-8.6 31.074,-8.6 31.524,-8.6 31.974,-8.6 32.424,-8.6 32.874,-8.6 33.324,-8.6 33.774,-8.6 34.224,-8.6 34.674,-8.6 35.124,-8.6 35.574,-8.6 36.024,-8.6 36.474,-8.6 36.924,-8.6 37.374,-8.6 37.824,-8.6 38.274,-8.6 38.724,-8.6 39.174,-8.6 39.624,-8.6 40.074,-8.6 40.524,-8.6 40.974,-8.6 45.474,-8.6 45.924,-8.6 46.374,-8.6 46.824,-8.6 47.274,-8.6 47.724,-8.6 48.174,-8.6 48.624,-8.6 49.074,-8.6 49.524,-8.6 49.974,-8.6 50.424,-8.6 50.874,-8.6 51.324,-8.6 51.774,-8.6 52.224,-8.6 18.249,-8.15 18.699,-8.15 19.149,-8.15 19.599,-8.15 20.049,-8.15 20.499,-8.15 20.949,-8.15 21.399,-8.15 21.849,-8.15 22.299,-8.15 22.749,-8.15 23.199,-8.15 23.649,-8.15 24.099,-8.15 24.549,-8.15 24.999,-8.15 25.449,-8.15 25.899,-8.15 26.349,-8.15 26.799,-8.15 27.249,-8.15 27.699,-8.15 28.149,-8.15 28.599,-8.15 29.049,-8.15 29.499,-8.15 29.949,-8.15 30.399,-8.15 30.849,-8.15 31.299,-8.15 31.749,-8.15 32.199,-8.15 32.649,-8.15 33.099,-8.15 33.549,-8.15 33.999,-8.15 34.449,-8.15 34.899,-8.15 35.349,-8.15 35.799,-8.15 36.249,-8.15 36.699,-8.15 37.149,-8.15 37.599,-8.15 38.049,-8.15 38.499,-8.15 38.949,-8.15 39.399,-8.15 39.849,-8.15 40.299,-8.15 40.749,-8.15 41.199,-8.15 45.699,-8.15 46.149,-8.15 46.599,-8.15 47.049,-8.15 47.499,-8.15 47.949,-8.15 48.399,-8.15 48.849,-8.15 49.299,-8.15 49.749,-8.15 50.199,-8.15 50.649,-8.15 51.099,-8.15 51.549,-8.15 51.999,-8.15 52.449,-8.15 18.024,-7.7 18.474,-7.7 18.924,-7.7 19.374,-7.7 19.824,-7.7 20.274,-7.7 20.724,-7.7 21.174,-7.7 21.624,-7.7 22.074,-7.7 22.524,-7.7 22.974,-7.7 23.424,-7.7 23.874,-7.7 24.324,-7.7 24.774,-7.7 25.224,-7.7 25.674,-7.7 26.124,-7.7 26.574,-7.7 27.024,-7.7 27.474,-7.7 27.924,-7.7 28.374,-7.7 28.824,-7.7 29.274,-7.7 29.724,-7.7 30.174,-7.7 30.624,-7.7 31.074,-7.7 31.524,-7.7 31.974,-7.7 32.424,-7.7 32.874,-7.7 33.324,-7.7 33.774,-7.7 34.224,-7.7 34.674,-7.7 35.124,-7.7 35.574,-7.7 36.024,-7.7 36.474,-7.7 36.924,-7.7 37.374,-7.7 37.824,-7.7 38.274,-7.7 38.724,-7.7 39.174,-7.7 39.624,-7.7 40.074,-7.7 40.524,-7.7 40.974,-7.7 41.424,-7.7 45.474,-7.7 45.924,-7.7 46.374,-7.7 46.824,-7.7 47.274,-7.7 47.724,-7.7 48.174,-7.7 48.624,-7.7 49.074,-7.7 49.524,-7.7 49.974,-7.7 50.424,-7.7 50.874,-7.7 51.324,-7.7 51.774,-7.7 52.224,-7.7 15.549,-7.25 15.999,-7.25 16.449,-7.25 18.249,-7.25 18.699,-7.25 19.149,-7.25 19.599,-7.25 20.049,-7.25 20.499,-7.25 20.949,-7.25 21.399,-7.25 21.849,-7.25 22.299,-7.25 22.749,-7.25 23.199,-7.25 23.649,-7.25 24.099,-7.25 24.549,-7.25 24.999,-7.25 25.449,-7.25 25.899,-7.25 26.349,-7.25 26.799,-7.25 27.249,-7.25 27.699,-7.25 28.149,-7.25 28.599,-7.25 29.049,-7.25 29.499,-7.25 29.949,-7.25 30.399,-7.25 30.849,-7.25 31.299,-7.25 31.749,-7.25 32.199,-7.25 32.649,-7.25 33.099,-7.25 33.549,-7.25 33.999,-7.25 34.449,-7.25 34.899,-7.25 35.349,-7.25 35.799,-7.25 36.249,-7.25 36.699,-7.25 37.149,-7.25 37.599,-7.25 38.049,-7.25 38.499,-7.25 38.949,-7.25 39.399,-7.25 39.849,-7.25 40.299,-7.25 40.749,-7.25 41.199,-7.25 41.649,-7.25 43.899,-7.25 44.349,-7.25 44.799,-7.25 45.249,-7.25 45.699,-7.25 46.149,-7.25 46.599,-7.25 47.049,-7.25 47.499,-7.25 47.949,-7.25 48.399,-7.25 48.849,-7.25 49.299,-7.25 49.749,-7.25 50.199,-7.25 50.649,-7.25 51.099,-7.25 51.549,-7.25 51.999,-7.25 52.449,-7.25 16.224,-6.8 16.674,-6.8 18.024,-6.8 18.474,-6.8 18.924,-6.8 19.374,-6.8 19.824,-6.8 20.274,-6.8 20.724,-6.8 21.174,-6.8 21.624,-6.8 22.074,-6.8 22.524,-6.8 22.974,-6.8 23.424,-6.8 23.874,-6.8 24.324,-6.8 24.774,-6.8 25.224,-6.8 25.674,-6.8 26.124,-6.8 26.574,-6.8 27.024,-6.8 27.474,-6.8 27.924,-6.8 28.374,-6.8 28.824,-6.8 29.274,-6.8 29.724,-6.8 30.174,-6.8 30.624,-6.8 31.074,-6.8 31.524,-6.8 31.974,-6.8 32.424,-6.8 32.874,-6.8 33.324,-6.8 33.774,-6.8 34.224,-6.8 34.674,-6.8 35.124,-6.8 35.574,-6.8 36.024,-6.8 36.474,-6.8 36.924,-6.8 37.374,-6.8 37.824,-6.8 38.274,-6.8 38.724,-6.8 39.174,-6.8 39.624,-6.8 40.074,-6.8 40.524,-6.8 40.974,-6.8 41.424,-6.8 41.874,-6.8 44.124,-6.8 44.574,-6.8 45.024,-6.8 45.474,-6.8 45.924,-6.8 46.374,-6.8 46.824,-6.8 47.274,-6.8 47.724,-6.8 48.174,-6.8 48.624,-6.8 49.074,-6.8 49.524,-6.8 49.974,-6.8 50.424,-6.8 50.874,-6.8 51.324,-6.8 51.774,-6.8 52.224,-6.8 15.099,-6.35 15.999,-6.35 16.449,-6.35 18.249,-6.35 18.699,-6.35 19.149,-6.35 19.599,-6.35 20.049,-6.35 20.499,-6.35 20.949,-6.35 21.399,-6.35 21.849,-6.35 22.299,-6.35 22.749,-6.35 23.199,-6.35 23.649,-6.35 24.099,-6.35 24.549,-6.35 24.999,-6.35 25.449,-6.35 25.899,-6.35 26.349,-6.35 26.799,-6.35 27.249,-6.35 27.699,-6.35 28.149,-6.35 28.599,-6.35 29.049,-6.35 29.499,-6.35 29.949,-6.35 30.399,-6.35 30.849,-6.35 31.299,-6.35 31.749,-6.35 32.199,-6.35 32.649,-6.35 33.099,-6.35 33.549,-6.35 33.999,-6.35 34.449,-6.35 34.899,-6.35 35.349,-6.35 35.799,-6.35 36.249,-6.35 36.699,-6.35 37.149,-6.35 37.599,-6.35 38.049,-6.35 38.499,-6.35 38.949,-6.35 39.399,-6.35 39.849,-6.35 40.299,-6.35 40.749,-6.35 41.199,-6.35 41.649,-6.35 43.899,-6.35 44.349,-6.35 44.799,-6.35 45.249,-6.35 45.699,-6.35 46.149,-6.35 46.599,-6.35 47.049,-6.35 47.499,-6.35 47.949,-6.35 48.399,-6.35 48.849,-6.35 49.299,-6.35 49.749,-6.35 50.199,-6.35 50.649,-6.35 51.099,-6.35 51.549,-6.35 51.999,-6.35 52.449,-6.35 16.674,-5.9 18.024,-5.9 18.474,-5.9 18.924,-5.9 19.374,-5.9 19.824,-5.9 20.274,-5.9 20.724,-5.9 21.174,-5.9 21.624,-5.9 22.074,-5.9 22.524,-5.9 22.974,-5.9 23.424,-5.9 23.874,-5.9 24.324,-5.9 24.774,-5.9 25.224,-5.9 25.674,-5.9 26.124,-5.9 26.574,-5.9 27.024,-5.9 27.474,-5.9 27.924,-5.9 28.374,-5.9 28.824,-5.9 29.274,-5.9 29.724,-5.9 30.174,-5.9 30.624,-5.9 31.074,-5.9 31.524,-5.9 31.974,-5.9 32.424,-5.9 32.874,-5.9 33.324,-5.9 33.774,-5.9 34.224,-5.9 34.674,-5.9 35.124,-5.9 35.574,-5.9 36.024,-5.9 36.474,-5.9 36.924,-5.9 37.374,-5.9 37.824,-5.9 38.274,-5.9 38.724,-5.9 39.174,-5.9 39.624,-5.9 40.074,-5.9 40.524,-5.9 40.974,-5.9 42.774,-5.9 44.124,-5.9 44.574,-5.9 45.024,-5.9 45.474,-5.9 45.924,-5.9 46.374,-5.9 46.824,-5.9 47.274,-5.9 47.724,-5.9 48.174,-5.9 48.624,-5.9 49.074,-5.9 49.524,-5.9 49.974,-5.9 50.424,-5.9 50.874,-5.9 51.324,-5.9 51.774,-5.9 52.224,-5.9 18.249,-5.45 18.699,-5.45 19.149,-5.45 19.599,-5.45 20.049,-5.45 20.499,-5.45 20.949,-5.45 21.399,-5.45 21.849,-5.45 22.299,-5.45 22.749,-5.45 23.199,-5.45 23.649,-5.45 24.099,-5.45 24.549,-5.45 24.999,-5.45 25.449,-5.45 25.899,-5.45 26.349,-5.45 26.799,-5.45 27.249,-5.45 27.699,-5.45 28.149,-5.45 28.599,-5.45 29.049,-5.45 29.499,-5.45 29.949,-5.45 30.399,-5.45 30.849,-5.45 31.299,-5.45 31.749,-5.45 32.199,-5.45 32.649,-5.45 33.099,-5.45 33.549,-5.45 33.999,-5.45 34.449,-5.45 34.899,-5.45 35.349,-5.45 35.799,-5.45 36.249,-5.45 36.699,-5.45 37.149,-5.45 37.599,-5.45 38.049,-5.45 38.499,-5.45 38.949,-5.45 39.399,-5.45 39.849,-5.45 40.299,-5.45 40.749,-5.45 43.899,-5.45 44.349,-5.45 44.799,-5.45 45.249,-5.45 45.699,-5.45 46.149,-5.45 46.599,-5.45 47.049,-5.45 47.499,-5.45 47.949,-5.45 48.399,-5.45 48.849,-5.45 49.299,-5.45 49.749,-5.45 50.199,-5.45 50.649,-5.45 51.099,-5.45 51.549,-5.45 51.999,-5.45 52.449,-5.45 18.024,-5 18.474,-5 18.924,-5 19.374,-5 19.824,-5 20.274,-5 20.724,-5 21.174,-5 21.624,-5 22.074,-5 22.524,-5 22.974,-5 23.424,-5 23.874,-5 24.324,-5 24.774,-5 25.224,-5 25.674,-5 26.124,-5 26.574,-5 27.024,-5 27.474,-5 27.924,-5 28.374,-5 28.824,-5 29.274,-5 29.724,-5 30.174,-5 30.624,-5 31.074,-5 31.524,-5 31.974,-5 32.424,-5 32.874,-5 33.324,-5 33.774,-5 34.224,-5 34.674,-5 35.124,-5 35.574,-5 36.024,-5 36.474,-5 36.924,-5 37.374,-5 37.824,-5 38.274,-5 38.724,-5 39.174,-5 39.624,-5 40.074,-5 41.874,-5 42.774,-5 44.124,-5 44.574,-5 45.024,-5 45.474,-5 45.924,-5 46.374,-5 46.824,-5 47.274,-5 47.724,-5 48.174,-5 48.624,-5 49.074,-5 49.524,-5 49.974,-5 50.424,-5 50.874,-5 51.324,-5 51.774,-5 52.224,-5 18.249,-4.55 18.699,-4.55 19.149,-4.55 19.599,-4.55 20.049,-4.55 20.499,-4.55 20.949,-4.55 21.399,-4.55 21.849,-4.55 22.299,-4.55 22.749,-4.55 23.199,-4.55 23.649,-4.55 24.099,-4.55 24.549,-4.55 24.999,-4.55 25.449,-4.55 25.899,-4.55 26.349,-4.55 26.799,-4.55 27.249,-4.55 27.699,-4.55 28.149,-4.55 28.599,-4.55 29.049,-4.55 29.499,-4.55 29.949,-4.55 30.399,-4.55 30.849,-4.55 31.299,-4.55 31.749,-4.55 32.199,-4.55 32.649,-4.55 33.099,-4.55 33.549,-4.55 33.999,-4.55 34.449,-4.55 34.899,-4.55 35.349,-4.55 35.799,-4.55 36.249,-4.55 36.699,-4.55 37.149,-4.55 37.599,-4.55 38.049,-4.55 38.499,-4.55 38.949,-4.55 39.399,-4.55 39.849,-4.55 41.199,-4.55 41.649,-4.55 43.899,-4.55 44.349,-4.55 44.799,-4.55 45.249,-4.55 45.699,-4.55 46.149,-4.55 46.599,-4.55 47.049,-4.55 47.499,-4.55 47.949,-4.55 48.399,-4.55 48.849,-4.55 49.299,-4.55 49.749,-4.55 50.199,-4.55 50.649,-4.55 51.099,-4.55 51.549,-4.55 51.999,-4.55 52.449,-4.55 14.424,-4.1 14.874,-4.1 16.674,-4.1 18.024,-4.1 18.474,-4.1 18.924,-4.1 19.374,-4.1 19.824,-4.1 20.274,-4.1 20.724,-4.1 21.174,-4.1 21.624,-4.1 22.074,-4.1 22.524,-4.1 22.974,-4.1 23.424,-4.1 23.874,-4.1 24.324,-4.1 30.174,-4.1 30.624,-4.1 31.074,-4.1 31.524,-4.1 31.974,-4.1 32.424,-4.1 32.874,-4.1 33.324,-4.1 33.774,-4.1 34.224,-4.1 34.674,-4.1 35.124,-4.1 35.574,-4.1 36.024,-4.1 36.474,-4.1 36.924,-4.1 37.374,-4.1 37.824,-4.1 38.274,-4.1 38.724,-4.1 39.174,-4.1 40.974,-4.1 41.424,-4.1 41.874,-4.1 42.774,-4.1 44.124,-4.1 44.574,-4.1 45.024,-4.1 45.474,-4.1 45.924,-4.1 46.374,-4.1 46.824,-4.1 47.274,-4.1 47.724,-4.1 48.174,-4.1 48.624,-4.1 49.074,-4.1 49.524,-4.1 49.974,-4.1 50.424,-4.1 50.874,-4.1 51.324,-4.1 51.774,-4.1 52.224,-4.1